# Altium PCB TimeKeeper.PcbDoc (part 2 of 2)
Units mm, origin at the board's own origin, x right, y up, seen from the top; angles counter-clockwise.
Board outline 127 x 94 mm, 4 copper layers (Top Layer, Layer 1, Layer 2, Bottom Layer), stack 0.603 mm thick; 87 components, 101 nets, 728 pads, 717 vias.
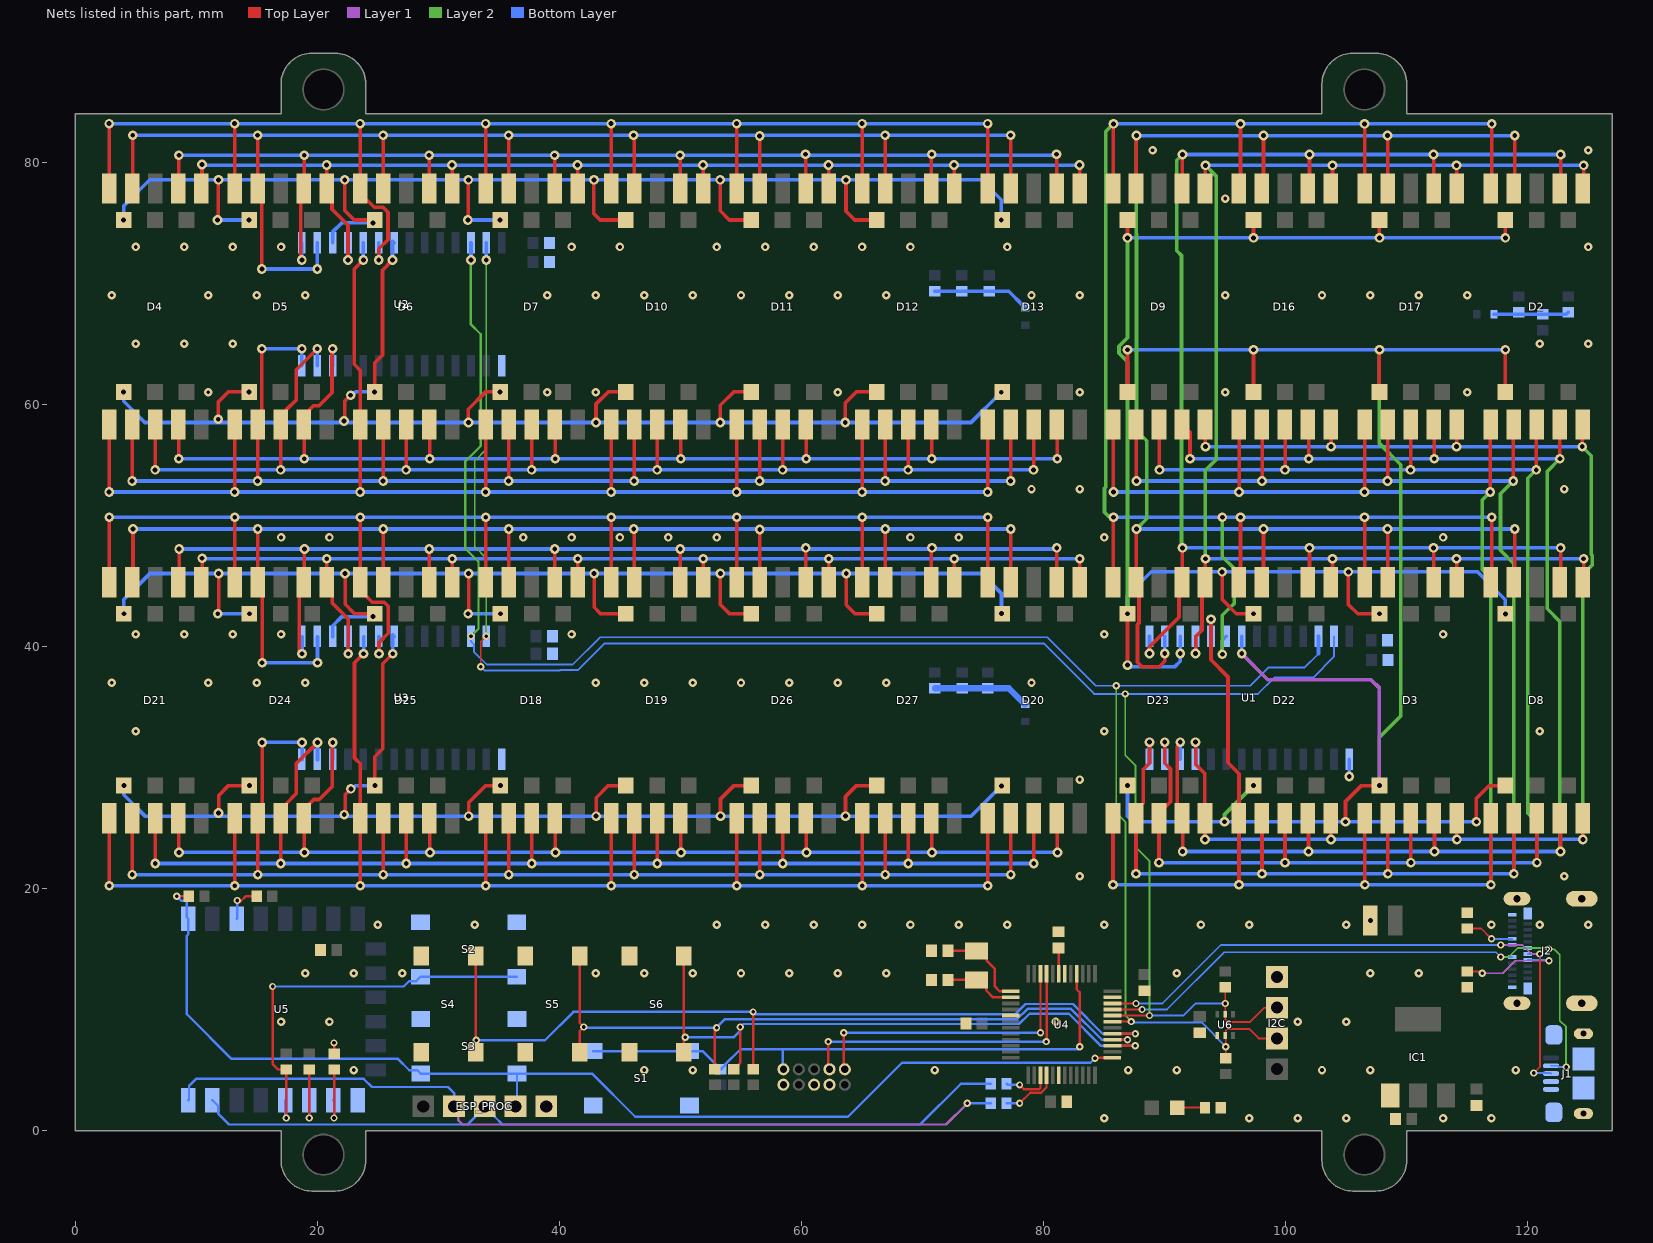
[diagram p4: the nets of this part, all layers, seen from the top]

## Via types
v1: diameter 0.8, hole 0.4, Top Layer to Bottom Layer, 517 vias
v2: diameter 0.7, hole 0.3, Top Layer to Bottom Layer, tented both sides, 135 vias
v3: diameter 0.6, hole 0.3, Top Layer to Bottom Layer, 65 vias

## Nets (pads, with @x,y where several pads share a name; then routed paths per layer and width w, separated by ;. In a path a pad name is that pad's centre, name@x,y a point inside that pad or via, vN(x,y) a via of type N, cw(c..) or ccw(c..) an arc to the next point about the centre after c; other vN are vias at no path point) (continued)
DP5: D2.5 D3.5 D8.5 D9.5 D16.5 D17.5 D22.5 D23.5 U1.P$11 | length 117.8
  Top Layer w0.3: v1(92.555,32.086) 92.555,30.25 93.327,29.478 93.327,25.806 D23.5@93.334,25.8 v1(93.334,24.05) ; v1(93.368,56.5) D9.5@93.368,58.322 ; v1(103.739,24.05) D22.5@103.739,25.8 ; v1(103.75,56.5) D16.5@103.75,58.322 ; v1(114.118,56.5) D17.5@114.118,58.322 ; v1(114.145,24.05) D3.5@114.145,25.8 ; v1(124.5,56.5) D2.5@124.5,58.322 ; v1(124.55,24.05) D8.5@124.55,25.8 D8.5@124.55,25.872
  Layer 2 w0.3: v1(124.5,56.5) 125.25,55.75 125.25,47.598 125.318,47.53 125.318,46.718 124.55,45.95 v1(124.55,24.05)
  Bottom Layer w0.3: U1.P$11@92.555,30.67 92.555,31.729 v1(92.555,32.086) ; v1(93.334,24.05) v1(103.739,24.05) v1(114.145,24.05) v1(124.55,24.05) ; v1(93.368,56.5) v1(103.75,56.5) v1(114.118,56.5) v1(124.5,56.5)
E1: D4.8 D5.8 D6.8 D7.8 D10.8 D11.8 D12.8 D13.8 U2.P$21 | length 115.1
  Top Layer w0.3: v1(11.816,58.762) 11.826,58.772 11.826,60.211 12.638,61.022 v1(14.363,61.022) ; v1(22.208,58.618) 22.276,58.686 22.276,60.293 22.733,60.75 v1(22.75,60.75) ; v1(24.732,61.022) 24.732,63.412 25.382,64.062 25.382,71.085 v1(26.213,71.916) ; v1(32.482,58.5) 32.478,58.505 32.478,59.6 33.9,61.022 v1(35.1,61.022) ; v1(43.017,58.5) 43.017,60.016 44.023,61.022 D10.8@45.468,61.022 ; v1(53.291,58.5) 53.291,59.913 54.4,61.022 D11.8@55.837,61.022 ; v1(63.612,58.5) 63.612,60.112 64.522,61.022 D12.8@66.205,61.022
  Bottom Layer w0.3: v1(3.995,61.022) 3.995,60.255 5.75,58.5 v1@11.816,58.5 ; v1(11.816,58.762) v1@11.816,58.5 ; v1(22.208,58.618) v1@22.208,58.5 ; v1(22.75,60.75) 22.885,60.75 23.158,61.022 v1(24.732,61.022) ; v1(26.213,71.916) 26.213,73.459 U2.P$21@26.34,73.332 ; v1(76.505,61) 74.005,58.5 v1(63.612,58.5) v1(53.291,58.5) v1(43.017,58.5) v1(32.482,58.5) v1@22.208,58.5 ; v1@11.816,58.5 v1@22.208,58.5
E3: D18.8 D19.8 D20.8 D21.8 D24.8 D25.8 D26.8 D27.8 U3.P$21 | length 115.1
  Top Layer w0.3: v1(11.834,26.24) 11.844,26.25 11.844,27.688 12.656,28.5 D24.8@14.379,28.5 v1(14.382,28.5) ; v1(22.226,26.096) 22.294,26.164 22.294,27.77 22.752,28.228 v1(22.768,28.228) ; v1(24.75,28.5) 24.75,30.889 25.4,31.539 25.4,38.562 v1(26.231,39.394) ; v1(32.501,25.978) 32.496,25.982 32.496,27.078 33.918,28.5 D18.8@35.11,28.5 v1(35.118,28.5) ; v1(43.035,25.978) 43.035,27.494 44.041,28.5 D19.8@45.476,28.5 D19.8@45.487,28.5 ; v1(53.309,25.978) 53.309,27.391 54.418,28.5 D26.8@55.842,28.5 D26.8@55.855,28.5 ; v1(63.63,25.978) 63.63,27.59 64.541,28.5 D27.8@66.207,28.5 D27.8@66.223,28.5
  Bottom Layer w0.3: v1(4.013,28.5) 4.013,27.733 5.768,25.978 v1@11.834,25.978 ; v1(11.834,26.24) v1@11.834,25.978 ; v1(22.226,26.096) v1@22.226,25.978 ; v1(22.768,28.228) 22.904,28.228 23.176,28.5 v1(24.75,28.5) ; v1(26.231,39.394) 26.231,40.937 U3.P$21@26.358,40.81 ; v1(76.523,28.478) 74.023,25.978 v1(63.63,25.978) v1(53.309,25.978) v1(43.035,25.978) v1(32.501,25.978) v1@22.226,25.978 ; v1@11.834,25.978 v1@22.226,25.978
E5: D2.8 D3.8 D8.8 D9.8 D16.8 D17.8 D22.8 D23.8 U1.P$21 | length 149.9
  Top Layer w0.3: D9.8@86.934,61.022 v1(86.934,64.5) ; D16.8@97.339,61.022 v1(97.339,64.5) ; v1(104.941,25.508) 104.941,27.186 106.255,28.5 v1(107.745,28.5) ; D17.8@107.745,61.022 v1(107.745,64.5) ; v1(115.754,25.508) 115.754,27.439 116.815,28.5 D8.8@118.15,28.5 ; D2.8@118.15,61.022 v1(118.15,64.5)
  Layer 1 w0.3: v1(96.365,39.414) 98.529,37.25 107.057,37.25 107.745,36.562 v1(107.745,28.5)
  Layer 2 w0.3: v1(94.943,25.508) 94.946,25.512 94.946,26.107 v1(97.339,28.5) ; v1(107.745,28.5) 107.745,32.495 109.5,34.25 109.5,55 107.745,56.755 v1(107.745,64.5)
  Bottom Layer w0.3: v1(86.934,28.5) 86.934,25.964 87.389,25.508 v1(94.943,25.508) v1(104.941,25.508) v1(115.754,25.508) ; v1(86.934,64.5) v1(97.339,64.5) v1(107.745,64.5) v1(118.15,64.5) ; v1(96.365,39.414) 96.365,39.771 U1.P$21@96.365,40.83
ESP_EN: R11.1 U5.3 | length 3.3
  Top Layer w0.2: v3(13.377,19) 13.456,19 13.507,18.949 13.673,18.949 14.074,19.35 R11.1@14.982,19.35
  Bottom Layer w0.2: U5.3@13.329,17.5 13.377,17.548 v3(13.377,19)
ESP_IO0: R9.1 S2.3 S2.4 U5.18 | length 33.7
  Top Layer w0.2: v3(16.3,11.9) 16.3,5.495 16.754,5.041 R9.1@17.432,5.041 v3(17.432,1.039)
  Bottom Layer w0.2: v3(16.3,11.9) 27.136,11.9 27.572,12.337 28.16,12.337 S2.4@28.53,12.707 S2.3@36.48,12.707 ; U5.18@17.329,2.5 17.329,1.2 17.432,1.097 v3(17.432,1.039)
ESP_IO2: R10.1 U5.17 | length 5.5
  Top Layer w0.2: v3(19.332,1.039) R10.1@19.332,5.041
  Bottom Layer w0.2: U5.17@19.329,2.5 19.332,2.497 v3(19.332,1.039)
ESP_IO15: R13.1 U5.16 | length 5.5
  Top Layer w0.2: v3(21.379,1.039) R13.1@21.379,5.041
  Bottom Layer w0.2: U5.16@21.329,2.5 21.379,2.45 v3(21.379,1.039)
ESP_RST: ESP_PROG.2 R12.1 S3.3 S3.4 U4.25 U5.1 | length 96.6
  Top Layer w0.2: v3(8.382,19.35) 8.388,19.356 R12.1@9.376,19.356 9.376,19.35 R12.1@9.051,19.025 ; v3(84.241,5.97) 84.271,6 U4.25@85.661,6
  Bottom Layer w0.2: v3(8.382,19.35) 8.732,19 9.096,19 9.213,18.883 9.213,17.616 U5.1@9.329,17.5 9.329,16.2 9.22,16.091 9.22,9.613 12.919,5.914 26.658,5.914 27.587,4.985 28.267,4.985 S3.4@28.544,4.707 S3.3@36.494,4.707 ; ESP_PROG.2@36.376,1.939 36.494,2.057 S3.3@36.494,4.707 ; v3(84.241,5.97) 83.871,5.6 68.3,5.6 63.839,1.139 46.261,1.139 42.693,4.707 S3.3@36.494,4.707
ESP_RX: ESP_PROG.3 R4.1 U5.21 | length 68.1
  Bottom Layer w0.2: U5.21@11.329,2.5 11.827,2.002 11.827,1.373 12.7,0.5 32.397,0.5 33.836,1.939 34.636,1.139 34.661,1.139 35.3,0.5 69.8,0.5 73.17,3.87 R4.1@75.641,3.87
ESP_TX: ESP_PROG.4 R5.1 U5.22 | length 71.1
  Layer 1 w0.2: ESP_PROG.4@31.296,1.939 31.644,1.591 31.644,0.856 32,0.5 71.95,0.5 v3(73.7,2.25)
  Bottom Layer w0.2: U5.22@9.329,2.5 9.396,2.567 9.396,3.683 9.984,4.271 23.829,4.271 24.5,3.6 30.796,3.6 31.296,3.1 ESP_PROG.4@31.296,1.939 ; v3(73.7,2.25) R5.1@75.641,2.25
F1: D4.16 D5.16 D6.16 D7.16 D10.16 D11.16 D12.16 D13.16 U2.P$20 | length 124.7
  Top Layer w0.3: D4.16@2.795,77.822 v1(2.795,83.188) ; D5.16@13.163,77.822 v1(13.163,83.188) ; v1(23.532,83.188) D6.16@23.532,77.822 23.882,77.822 23.882,77.098 24.707,76.272 25.432,76.272 25.832,75.872 25.832,73.602 25.07,72.84 v1(25.07,71.916) ; D7.16@33.9,77.822 v1(33.9,83.188) ; D10.16@44.268,77.822 v1(44.268,83.188) ; D11.16@54.637,77.822 v1(54.637,83.188) ; D12.16@65.005,77.822 v1(65.005,83.188) ; D13.16@75.373,77.822 v1(75.373,83.188)
  Bottom Layer w0.3: v1(2.795,83.188) v1(13.163,83.188) v1(23.532,83.188) v1(33.9,83.188) v1(44.268,83.188) v1(54.637,83.188) v1(65.005,83.188) v1(75.373,83.188) ; v1(25.07,71.916) U2.P$20@25.07,73.332
F3: D18.16 D19.16 D20.16 D21.16 D24.16 D25.16 D26.16 D27.16 U3.P$20 | length 124.9
  Top Layer w0.3: D21.16@2.813,45.3 v1(2.813,50.666) ; D24.16@13.182,45.3 v1(13.182,50.666) ; v1(23.55,50.666) 23.55,45.3 23.9,45.3 23.9,44.295 24.545,43.65 25.519,43.65 25.85,43.319 25.85,41.079 25.088,40.317 v1(25.088,39.394) ; D18.16@33.918,45.3 v1(33.918,50.666) ; D19.16@44.287,45.3 v1(44.287,50.666) ; D26.16@54.655,45.3 v1(54.655,50.666) ; D27.16@65.023,45.3 v1(65.023,50.666) ; D20.16@75.391,45.3 v1(75.391,50.666)
  Bottom Layer w0.3: v1(2.813,50.666) v1(13.182,50.666) v1(23.55,50.666) v1(33.918,50.666) v1(44.287,50.666) v1(54.655,50.666) v1(65.023,50.666) v1(75.391,50.666) ; v1(25.088,39.394) U3.P$20@25.088,40.81
F5: D2.16 D3.16 D8.16 D9.16 D16.16 D17.16 D22.16 D23.16 U1.P$20 | length 152.6
  Top Layer w0.3: D23.16@85.768,45.3 v1(85.768,50.666) ; D9.16@85.768,77.8 v1(85.768,83.166) ; D22.16@96.268,45.3 v1(96.268,50.666) ; D16.16@96.268,77.8 v1(96.268,83.166) ; D3.16@106.518,45.3 v1(106.518,50.666) ; D17.16@106.518,77.8 v1(106.518,83.166) ; D8.16@117.018,45.3 v1(117.018,50.666) ; D2.16@117.018,77.8 v1(117.018,83.166)
  Layer 2 w0.3: v1(85.768,50.666) 85.688,50.746 85.357,50.746 85.028,51.075 85.028,53.057 85.134,53.163 85.134,82.531 v1(85.768,83.166) ; v1(94.771,39.346) 94.771,42.567 95.75,43.546 95.75,46.431 94.771,47.41 v1(94.771,50.666)
  Bottom Layer w0.3: v1(85.768,50.666) v1(94.771,50.666) v1(96.268,50.666) v1(106.518,50.666) v1(117.018,50.666) ; v1(85.768,83.166) v1(96.268,83.166) v1(106.518,83.166) v1(117.018,83.166) v1@117.103,83.25 ; v1(94.771,39.346) 94.771,40.506 U1.P$20@95.095,40.83
G1: D4.9 D5.9 D6.9 D7.9 D10.9 D11.9 D12.9 D13.9 U2.P$17 | length 115.2
  Top Layer w0.3: v1(11.75,75.222) 11.826,75.299 v1(11.826,78.539) ; v1(22.267,78.539) 22.276,78.53 22.276,75.999 23.053,75.222 D6.9@24.732,75.222 ; v1(32.436,75.222) 32.478,75.264 v1(32.478,78.539) ; v1(42.85,78.539) 42.85,75.745 43.373,75.222 D10.9@45.468,75.222 ; v1(53.277,78.539) 53.277,75.982 54.037,75.222 D11.9@55.837,75.222 ; v1(63.678,78.539) 63.678,75.949 64.405,75.222 D12.9@66.205,75.222
  Bottom Layer w0.3: v1(3.995,75.222) 3.995,76.387 6.147,78.539 v1(11.826,78.539) v1(22.267,78.539) v1(32.478,78.539) v1(42.85,78.539) v1(53.277,78.539) v1(63.678,78.539) 74.854,78.539 76.505,76.888 v1(76.505,75.237) ; v1(11.75,75.222) v1(14.363,75.222) ; U2.P$17@21.26,73.332 21.26,74.228 22.015,74.983 v1(24.593,74.983) ; v1(32.436,75.222) v1(35.1,75.222)
G3: D18.9 D19.9 D20.9 D21.9 D24.9 D25.9 D26.9 D27.9 U3.P$17 | length 115.2
  Top Layer w0.3: v1(11.768,42.7) 11.844,42.776 v1(11.844,46.017) ; v1(22.285,46.017) 22.294,46.008 22.294,43.477 23.071,42.7 D25.9@24.75,42.7 ; v1(32.454,42.7) 32.496,42.742 v1(32.496,46.017) ; v1(42.868,46.017) 42.868,43.223 43.391,42.7 D19.9@45.487,42.7 ; v1(53.296,46.017) 53.296,43.459 54.055,42.7 D26.9@55.855,42.7 ; v1(63.696,46.017) 63.696,43.427 64.423,42.7 D27.9@66.223,42.7
  Bottom Layer w0.3: v1(4.013,42.7) 4.013,43.865 6.165,46.017 v1(11.844,46.017) v1(22.285,46.017) v1(32.496,46.017) v1(42.868,46.017) v1(53.296,46.017) v1(63.696,46.017) 74.872,46.017 76.523,44.366 v1(76.523,42.715) ; v1(11.768,42.7) v1(14.382,42.7) ; U3.P$17@21.278,40.81 21.278,41.705 22.033,42.461 v1(24.611,42.461) ; v1(32.454,42.7) v1(35.118,42.7)
G5: D2.9 D3.9 D8.9 D9.9 D16.9 D17.9 D22.9 D23.9 U1.P$17 | length 126.3
  Top Layer w0.3: v1(86.934,38.453) v1(86.934,42.7) ; v1(86.934,73.75) D9.9@86.934,75.222 ; v1(94.749,46.154) 94.749,43.87 95.918,42.7 v1(97.339,42.7) ; v1(97.339,73.75) D16.9@97.339,75.222 ; v1(105.181,46.154) 105.181,43.464 105.945,42.7 v1(107.745,42.7) ; v1(107.745,73.75) D17.9@107.745,75.222 ; v1(118.15,42.675) D8.9@118.15,42.7 ; v1(118.15,73.75) D2.9@118.15,75.222
  Layer 2 w0.3: v1(86.934,42.7) 86.934,63.51 86.234,64.21 86.234,64.79 86.934,65.49 v1(86.934,73.75)
  Bottom Layer w0.3: v1(86.934,38.453) 87.083,38.303 90.818,38.303 91.285,38.77 v1(91.285,39.414) 91.285,39.771 U1.P$17@91.285,40.83 ; v1(86.934,42.7) 86.934,44.184 88.904,46.154 v1(94.749,46.154) v1(105.181,46.154) 115.846,46.154 118.15,43.85 v1(118.15,42.675) ; v1(86.934,73.75) v1(97.339,73.75) v1(107.745,73.75) v1(118.15,73.75)
GND: C1.1 C2.1 C3.1 C4.1 C5.1 C6.1 C7.1 C8.1 C9.1 C10.1 C11.1 C12.1 C13.1 C14.1 C15.1 C16.1 ESP_PROG.1 I2C.1 IC1.1 J1.4 J1.5 J1.S J2.A1 J2.A12 J2.B1 J2.B12 J2.S1 J2.S2 J2.S3 J2.S4 pad.3 pad.5 pad.9 pad.GND R1.1 R2.1 R8.2 R13.2 S1.1 S1.2 S2.1 S2.2 S3.1 S3.2 S4.1 S4.2 S5.1 S5.2 S6.1 S6.2 U1.P$1 U2.P$1 U3.P$1 U4.5 U4.18 U4.35 U4.42 U5.15 U6.1 | length 2.3
  Top Layer w0.2: R13.2@21.379,6.341 v3(21.379,7.241)
  Bottom Layer w0.3: v1(105.255,29.254) U1.P$1@105.255,30.67
  other v1: 107,17.35
  other v2: 85,1 97,1 101,1 105,1 113,1 117,1 23,5 47,5 51,5 71,5 87,5 91,5 103,5 107,5 119,5 17,9 21,9 81,9 101,9 105,9 19,13 23,13 27,13 43,13 47,13 51,13 55,13 59,13 63,13 67,13 91,13 107,13 111,13 25,17 33,17 53,17 57,17 61,17 65,17 69,17 73,17 77,17 85,17 93,17 97,17 105,17 117,17 121,17 125,17 83,21 123,21 83,29 5,33 85,33 121,33 3,37 11,37 15,37 19,37 43,37 47,37 51,37 55,37 59,37 63,37 67,37 79,37 5,41 9,41 13,41 17,41 41,41 85,41 113,41 17,49 21,49 37,49 41,49 45,49 49,49 53,49 69,49 73,49 85,49 113,49 79,53 83,53 123,53 11,61 39,61 43,61 63,61 83,61 95,61 115,61 5,65 9,65 13,65 121,65 125,65 3,69 11,69 15,69 19,69 39,69 43,69 47,69 51,69 55,69 59,69 63,69 67,69 79,69 83,69 95,69 103,69 107,69 111,69 115,69 5,73 9,73 13,73 17,73 41,73 45,73 53,73 57,73 61,73 65,73 69,73 77,73 125,73 95,77 89,81 125,81
H1: D4.15 D5.15 D6.15 D7.15 D10.15 D11.15 D12.15 D13.15 U2.P$16 | length 121.2
  Top Layer w0.3: D4.15@4.695,77.822 4.75,77.877 v1(4.75,82.222) ; v1(15.063,82.222) D5.15@15.063,77.822 15.418,77.468 v1(15.418,71.173) ; D6.15@25.432,77.822 v1(25.432,82.222) ; D7.15@35.8,77.822 v1(35.8,82.222) ; v1(46.118,82.222) 46.168,82.172 D10.15@46.168,77.822 ; D11.15@56.537,77.822 v1(56.537,82.172) ; D12.15@66.905,77.822 v1(66.905,82.222) ; D13.15@77.273,77.822 v1(77.273,82.222)
  Bottom Layer w0.3: v1(4.75,82.222) v1(15.063,82.222) v1(25.432,82.222) v1(35.8,82.222) v1(46.118,82.222) v1(66.905,82.222) v1(77.273,82.222) ; v1(15.418,71.173) v1(19.99,71.173) U2.P$16@19.99,73.332
H3: D18.15 D19.15 D20.15 D21.15 D24.15 D25.15 D26.15 D27.15 U3.P$16 | length 121.2
  Top Layer w0.3: D21.15@4.713,45.3 4.768,45.355 v1(4.768,49.7) ; v1(15.082,49.7) 15.082,45.3 15.436,44.945 v1(15.436,38.651) ; D25.15@25.45,45.3 v1(25.45,49.7) ; D18.15@35.818,45.3 v1(35.818,49.7) ; v1(46.137,49.7) 46.187,49.65 D19.15@46.187,45.3 ; D26.15@56.555,45.3 v1(56.555,49.65) ; D27.15@66.923,45.3 v1(66.923,49.7) ; D20.15@77.291,45.3 v1(77.291,49.7)
  Bottom Layer w0.3: v1(4.768,49.7) v1(15.082,49.7) v1(25.45,49.7) v1(35.818,49.7) v1(46.137,49.7) v1(66.923,49.7) v1(77.291,49.7) ; v1(15.436,38.651) v1(20.008,38.651) U3.P$16@20.008,40.81
H5: D2.15 D3.15 D8.15 D9.15 D16.15 D17.15 D22.15 D23.15 U1.P$16 | length 142.4
  Top Layer w0.3: D23.15@87.634,45.3 87.884,45.05 87.884,41.926 87.758,41.8 87.758,38.681 88.135,38.303 89.553,38.303 90.015,38.765 v1(90.015,39.414) ; D23.15@87.668,45.3 v1(87.668,49.7) ; D9.15@87.668,77.8 v1(87.668,82.2) ; D22.15@98.168,45.3 v1(98.168,49.7) ; D16.15@98.168,77.8 v1(98.168,82.2) ; D3.15@108.418,45.3 v1(108.418,49.7) ; D17.15@108.418,77.8 v1(108.418,82.2) ; D8.15@118.918,45.3 v1(118.918,49.7) ; D2.15@118.918,77.8 v1(118.918,82.2)
  Layer 2 w0.3: v1(87.668,49.7) 88.517,50.548 88.517,56.983 87.674,57.826 87.674,74.057 87.668,74.063 v1(87.668,82.2)
  Bottom Layer w0.3: v1(87.668,49.7) v1(98.168,49.7) v1(108.418,49.7) v1(118.918,49.7) v1@118.969,49.75 ; v1(87.668,82.2) v1(98.168,82.2) v1(108.418,82.2) v1(118.918,82.2) ; v1(90.015,39.414) U1.P$16@90.015,40.83
I2C_SCL: I2C.2 R7.1 U1.P$27 U2.P$27 U3.P$27 U4.32 U6.5 | length 156.9
  Top Layer w0.15: v3(33.5,38.324) 33.5,40.372 v3(33.96,40.832) ; U4.32@85.691,9.5 v3(88.745,9.5) ; R7.1@95,11.833 v3(95,10.5) U6.5@95,9.6 95.015,9.585 95.015,9.188 95.227,8.975 97.064,8.975 98.239,10.15 I2C.2@99.289,10.15
  Layer 2 w0.15: v3(33.96,40.832) 33.96,47.29 33,48.25 33,55.314 33.96,56.274 v1(33.96,71.916) ; v3(86.75,36.074) 86.75,31 87.584,30.166 87.584,23.439 88.745,22.278 v3(88.745,9.5)
  Bottom Layer w0.15: v3(33.5,38.324) 33.824,38 40.025,38 40.079,38.054 41.554,38.054 43.75,40.25 80,40.25 84.176,36.074 v3(86.75,36.074) 97.713,36.074 99.056,37.417 102.265,37.417 103.985,39.136 U1.P$27@103.985,40.83 ; v3(88.745,9.5) 91.555,9.5 92.555,10.5 v3(95,10.5)
  Bottom Layer w0.3: v1(33.96,71.916) U2.P$27@33.96,73.332
I2C_SDA: I2C.3 R6.1 U1.P$26 U2.P$26 U3.P$26 U4.31 U6.2 | length 156.2
  Top Layer w0.15: U4.31@85.691,9 v3(87.25,9) ; R6.1@95.052,5.97 v3(95.052,6.93) 95.052,7.891 95.047,7.897 95.047,8.247 95.192,8.392 96.981,8.392 97.762,7.61 I2C.3@99.289,7.61
  Layer 2 w0.15: v3(86,36.75) 86,26.249 86.773,25.476 86.773,9.477 v3(87.25,9)
  Layer 2 w0.2: v3(32.69,40.832) 33.31,41.453 33.31,46.987 32.223,48.074 32.223,55.283 33.5,56.56 33.5,65.791 32.69,66.601 v1(32.69,71.916)
  Bottom Layer w0.15: v3(32.69,40.832) 32.69,40.434 32.932,40.192 32.932,39.566 33.998,38.5 41.106,38.5 43.359,40.752 80.312,40.752 84.314,36.75 v3(86,36.75) 97.071,36.75 98.571,38.25 101.551,38.25 102.715,39.414 ; v3(87.25,9) 87.32,8.93 93.052,8.93 v3(95.052,6.93)
  Bottom Layer w0.3: v1(32.69,71.916) U2.P$26@32.69,73.332 ; 102.715,39.414 U1.P$26@102.715,40.83
J1: D4.13 D5.13 D6.13 D7.13 D10.13 D11.13 D12.13 D13.13 U2.P$15 | length 102.3
  Top Layer w0.3: D4.13@8.495,77.822 8.56,77.887 v1(8.56,80.571) ; v1(18.72,71.916) 18.613,72.023 18.613,77.572 D5.13@18.863,77.822 18.913,77.872 v1(18.913,80.571) ; D6.13@29.232,77.822 v1(29.232,80.571) ; D7.13@39.6,77.822 v1(39.6,80.571) ; D10.13@49.968,77.822 v1(49.968,80.571) ; D11.13@60.337,77.822 v1(60.337,80.659) ; D12.13@70.705,77.822 70.705,80.609 v1(70.755,80.659) ; D13.13@81.073,77.822 v1(81.073,80.659)
  Bottom Layer w0.3: v1(8.56,80.571) v1(18.913,80.571) v1(29.232,80.571) v1(39.6,80.571) v1(49.968,80.571) 80.872,80.571 80.96,80.659 v1(81.073,80.659) ; v1(18.72,71.916) U2.P$15@18.72,73.332
J3: D18.13 D19.13 D20.13 D21.13 D24.13 D25.13 D26.13 D27.13 U3.P$15 | length 102.4
  Top Layer w0.3: D21.13@8.513,45.3 8.578,45.365 v1(8.578,48.049) ; v1(18.738,39.394) 18.5,39.632 18.5,44.918 18.882,45.3 18.932,45.35 v1(18.932,48.049) ; D25.13@29.25,45.3 v1(29.25,48.049) ; D18.13@39.618,45.3 v1(39.618,48.049) ; D19.13@49.987,45.3 v1(49.987,48.049) ; D26.13@60.355,45.3 v1(60.355,48.136) ; D27.13@70.723,45.3 70.723,48.086 v1(70.773,48.136) ; D20.13@81.091,45.3 v1(81.091,48.136)
  Bottom Layer w0.3: v1(8.578,48.049) v1(18.932,48.049) v1(29.25,48.049) v1(39.618,48.049) v1(49.987,48.049) 80.891,48.049 80.978,48.136 v1(81.091,48.136) ; v1(18.738,39.394) U3.P$15@18.738,40.81
J5: D2.13 D3.13 D8.13 D9.13 D16.13 D17.13 D22.13 D23.13 U1.P$15 | length 127
  Top Layer w0.3: v1(88.745,39.414) 88.745,39.961 91.184,42.4 91.184,45.3 D23.13@91.434,45.3 ; D23.13@91.468,45.3 v1(91.468,48.136) ; D9.13@91.468,77.8 v1(91.468,80.636) ; D22.13@101.968,45.3 v1(101.968,48.136) ; D16.13@101.968,77.8 v1(101.968,80.636) ; D3.13@112.218,45.3 v1(112.218,48.136) ; D17.13@112.218,77.8 v1(112.218,80.636) ; D8.13@122.718,45.3 v1(122.718,48.136) ; D2.13@122.718,77.8 v1(122.718,80.636)
  Layer 2 w0.3: v1(91.468,48.136) 91.393,48.211 91.393,72.299 91,72.693 91,80.168 v1(91.468,80.636)
  Bottom Layer w0.3: v1(88.745,39.414) 88.745,39.771 U1.P$15@88.745,40.83 ; v1(91.468,48.136) v1(101.968,48.136) v1(112.218,48.136) v1(122.718,48.136) ; v1(91.468,80.636) v1(101.968,80.636) v1(112.218,80.636) v1(122.718,80.636) 122.854,80.636 v1@122.99,80.5
K1: D4.12 D5.12 D6.12 D7.12 D10.12 D11.12 D12.12 D13.12 U2.P$18 | length 96.4
  Top Layer w0.3: D4.12@10.395,77.822 10.465,77.892 v1(10.465,79.809) ; v1(20.763,79.762) D5.12@20.763,77.822 20.763,77.238 21.213,76.788 21.213,76.107 22.53,74.791 v1(22.53,71.916) ; D6.12@31.132,77.822 v1(31.132,79.762) ; D7.12@41.373,77.695 D7.12@41.5,77.822 v1(41.5,79.762) ; D10.12@51.868,77.822 v1(51.868,79.762) ; D11.12@62.237,77.822 v1(62.237,79.762) ; D12.12@72.605,77.822 v1(72.605,79.762) ; D13.12@82.973,77.822 v1(82.973,79.762)
  Bottom Layer w0.3: v1(10.465,79.809) 10.512,79.762 v1(20.763,79.762) v1(31.132,79.762) v1(41.5,79.762) v1(51.868,79.762) v1(62.237,79.762) v1(72.605,79.762) v1(82.973,79.762) ; v1(22.53,71.916) U2.P$18@22.53,73.332
K3: D18.12 D19.12 D20.12 D21.12 D24.12 D25.12 D26.12 D27.12 U3.P$18 | length 96.4
  Top Layer w0.3: D21.12@10.413,45.3 10.483,45.37 v1(10.483,47.287) ; v1(20.782,47.24) 20.782,45.3 20.782,44.715 21.232,44.265 21.232,43.585 22.548,42.268 v1(22.548,39.394) ; D25.12@31.15,45.3 v1(31.15,47.24) ; D18.12@41.391,45.173 41.518,45.3 v1(41.518,47.24) ; D19.12@51.887,45.3 v1(51.887,47.24) ; D26.12@62.255,45.3 v1(62.255,47.24) ; D27.12@72.623,45.3 v1(72.623,47.24) ; D20.12@82.991,45.3 v1(82.991,47.24)
  Bottom Layer w0.3: v1(10.483,47.287) 10.53,47.24 v1(20.782,47.24) v1(31.15,47.24) v1(41.518,47.24) v1(51.887,47.24) v1(62.255,47.24) v1(72.623,47.24) v1(82.991,47.24) ; v1(22.548,39.394) U3.P$18@22.548,40.81
K5: D2.12 D3.12 D8.12 D9.12 D16.12 D17.12 D22.12 D23.12 U1.P$18 | length 118.9
  Top Layer w0.3: v1(92.555,39.414) 92.555,40.806 93.084,41.335 93.084,45.05 D23.12@93.334,45.3 ; D23.12@93.368,45.3 v1(93.368,47.24) ; D9.12@93.368,77.8 v1(93.368,79.74) ; D22.12@103.868,45.3 v1(103.868,47.24) ; D16.12@103.868,77.8 v1(103.868,79.74) ; D3.12@114.118,45.3 v1(114.118,47.24) ; D17.12@114.118,77.8 v1(114.118,79.74) ; D8.12@124.618,45.3 v1(124.618,47.24) ; D2.12@124.618,77.8 v1(124.618,79.74)
  Layer 2 w0.3: v1(93.368,47.24) 93.368,54.543 94.25,55.425 94.25,78.858 v1(93.368,79.74)
  Bottom Layer w0.3: v1(92.555,39.414) U1.P$18@92.555,40.83 ; v1(93.368,47.24) v1(103.868,47.24) v1(114.118,47.24) v1(124.618,47.24) v1@124.628,47.25 ; v1(93.368,79.74) v1(103.868,79.74) v1(114.118,79.74) v1(124.618,79.74)
L1: D4.4 D5.4 D6.4 D7.4 D10.4 D11.4 D12.4 D13.4 U2.P$12 | length 103.8
  Top Layer w0.3: D4.4@8.495,58.322 8.545,58.272 v1(8.545,55.5) ; D5.4@18.863,58.322 19.313,58.772 19.313,59.5 19.686,59.872 20.138,59.872 21.213,60.948 21.213,64.541 v1(21.26,64.588) ; v1(18.913,55.5) D5.4@18.913,58.272 ; v1(29.282,55.5) D6.4@29.282,58.272 ; v1(39.65,55.5) D7.4@39.65,58.272 ; v1(50.018,55.5) D10.4@50.018,58.272 ; v1(60.387,55.5) D11.4@60.387,58.272 ; v1(70.755,55.5) D12.4@70.755,58.272 ; v1(81.123,55.5) D13.4@81.123,58.272
  Bottom Layer w0.3: v1(8.545,55.5) v1(18.913,55.5) v1(29.282,55.5) v1(39.65,55.5) v1(50.018,55.5) v1(60.387,55.5) v1(70.755,55.5) v1(81.123,55.5) ; U2.P$12@21.26,63.172 v1(21.26,64.588)
L3: D18.4 D19.4 D20.4 D21.4 D24.4 D25.4 D26.4 D27.4 U3.P$12 | length 103.8
  Top Layer w0.3: D21.4@8.513,25.8 8.563,25.75 v1(8.563,22.978) ; D24.4@18.882,25.8 19.332,26.25 19.332,26.978 19.704,27.35 20.156,27.35 21.232,28.426 21.232,32.019 v1(21.278,32.066) ; v1(18.932,22.978) D24.4@18.932,25.75 ; v1(29.3,22.978) D25.4@29.3,25.75 ; v1(39.668,22.978) D18.4@39.668,25.75 ; v1(50.037,22.978) D19.4@50.037,25.75 ; v1(60.405,22.978) D26.4@60.405,25.75 ; v1(70.773,22.978) D27.4@70.773,25.75 ; v1(81.141,22.978) D20.4@81.141,25.75
  Bottom Layer w0.3: v1(8.563,22.978) v1(18.932,22.978) v1(29.3,22.978) v1(39.668,22.978) v1(50.037,22.978) v1(60.405,22.978) v1(70.773,22.978) v1(81.141,22.978) ; U3.P$12@21.278,30.65 v1(21.278,32.066)
L5: D2.4 D3.4 D8.4 D9.4 D16.4 D17.4 D22.4 D23.4 U1.P$12 | length 125.5
  Top Layer w0.3: v1(91.285,32.086) 91.285,31.951 91.04,31.706 91.04,26.193 D23.4@91.434,25.8 ; v1(91.484,23.05) D23.4@91.484,25.822 ; D9.4@91.518,58.272 92.099,57.692 v1(92.099,55.5) ; v1(101.889,23.05) D22.4@101.889,25.822 ; v1(101.9,55.5) D16.4@101.9,58.272 ; v1(112.268,55.5) D17.4@112.268,58.272 ; v1(112.295,23.05) D3.4@112.295,25.822 ; v1(122.65,55.5) D2.4@122.65,58.272 ; v1(122.7,23.05) D8.4@122.7,25.822
  Layer 2 w0.3: v1(122.65,55.5) 121.6,54.45 121.6,43.1 122.65,42.05 122.65,23.1 v1(122.7,23.05)
  Bottom Layer w0.3: U1.P$12@91.285,30.67 v1(91.285,32.086) ; v1(91.484,23.05) v1(101.889,23.05) v1(112.295,23.05) v1(122.7,23.05) ; v1(92.099,55.5) v1(101.9,55.5) v1(112.268,55.5) v1(122.65,55.5)
M1: D4.3 D5.3 D6.3 D7.3 D10.3 D11.3 D12.3 D13.3 U2.P$13 | length 111.4
  Top Layer w0.3: v1(6.595,54.581) D4.3@6.595,58.322 ; v1(16.963,54.581) D5.3@16.963,58.322 17.413,58.772 17.413,59.522 18.25,60.359 18.25,62.848 v1(19.99,64.588) ; v1(27.332,54.581) D6.3@27.332,58.322 ; v1(37.7,54.581) D7.3@37.7,58.322 ; v1(48.068,54.581) D10.3@48.068,58.322 ; v1(58.437,54.581) D11.3@58.437,58.322 ; v1(68.805,54.581) D12.3@68.805,58.322 ; v1(79.173,54.581) D13.3@79.173,58.322
  Bottom Layer w0.3: v1(6.595,54.581) v1(16.963,54.581) v1(27.332,54.581) v1(37.7,54.581) v1(48.068,54.581) v1(58.437,54.581) v1(68.805,54.581) v1(79.173,54.581) ; U2.P$13@19.99,63.172 v1(19.99,64.588)
M3: D18.3 D19.3 D20.3 D21.3 D24.3 D25.3 D26.3 D27.3 U3.P$13 | length 111.4
  Top Layer w0.3: v1(6.613,22.059) D21.3@6.613,25.8 ; v1(16.982,22.059) 16.982,25.8 17.432,26.25 17.432,27 18.268,27.837 18.268,30.326 v1(20.008,32.066) ; v1(27.35,22.059) D25.3@27.35,25.8 ; v1(37.718,22.059) D18.3@37.718,25.8 ; v1(48.087,22.059) D19.3@48.087,25.8 ; v1(58.455,22.059) D26.3@58.455,25.8 ; v1(68.823,22.059) D27.3@68.823,25.8 ; v1(79.191,22.059) D20.3@79.191,25.8
  Bottom Layer w0.3: v1(6.613,22.059) v1(16.982,22.059) v1(27.35,22.059) v1(37.718,22.059) v1(48.087,22.059) v1(58.455,22.059) v1(68.823,22.059) v1(79.191,22.059) ; U3.P$13@20.008,30.65 v1(20.008,32.066)
M5: D2.3 D3.3 D8.3 D9.3 D16.3 D17.3 D22.3 D23.3 U1.P$13 | length 132.6
  Top Layer w0.3: v1(89.534,22.131) D23.3@89.534,25.8 ; v1(89.568,54.581) D9.3@89.568,58.322 ; D23.3@89.801,26.486 90.484,27.168 90.484,29.866 90.015,30.335 v1(90.015,32.086) ; v1(99.939,22.131) D22.3@99.939,25.8 ; v1(99.95,54.581) D16.3@99.95,58.322 ; v1(110.318,54.581) D17.3@110.318,58.322 ; v1(110.345,22.131) D3.3@110.345,25.8 ; v1(120.7,54.581) D2.3@120.7,58.322 ; v1(120.75,22.131) D8.3@120.75,25.8 D8.3@120.75,25.872
  Layer 2 w0.3: v1(120.7,54.581) 120,53.881 120,26.223 120.75,25.473 v1(120.75,22.131)
  Bottom Layer w0.3: v1(89.534,22.131) v1(99.939,22.131) v1(110.345,22.131) v1(120.75,22.131) ; v1(89.568,54.581) v1(99.95,54.581) v1(110.318,54.581) v1(120.7,54.581) ; U1.P$13@90.015,30.67 90.015,31.729 v1(90.015,32.086)
N1: D4.2 D5.2 D6.2 D7.2 D10.2 D11.2 D12.2 D13.2 U2.P$14 | length 121
  Top Layer w0.3: v1(4.695,53.666) D4.2@4.695,58.322 ; v1(15.063,53.666) D5.2@15.063,58.322 15.418,58.677 v1(15.418,64.588) ; v1(25.432,53.666) D6.2@25.432,58.322 ; v1(35.8,53.666) D7.2@35.8,58.322 ; v1(46.168,53.666) D10.2@46.168,58.322 ; v1(56.537,53.666) D11.2@56.537,58.322 ; v1(66.905,53.666) D12.2@66.905,58.322 ; v1(77.273,53.666) D13.2@77.273,58.322
  Bottom Layer w0.3: v1(4.695,53.666) v1(15.063,53.666) v1(25.432,53.666) v1(35.8,53.666) v1(46.168,53.666) v1(56.537,53.666) v1(66.905,53.666) v1(77.273,53.666) ; v1(15.418,64.588) v1(18.72,64.588) U2.P$14@18.72,63.172
N3: D18.2 D19.2 D20.2 D21.2 D24.2 D25.2 D26.2 D27.2 U3.P$14 | length 121
  Top Layer w0.3: v1(4.713,21.144) D21.2@4.713,25.8 ; v1(15.082,21.144) 15.082,25.8 15.436,26.155 v1(15.436,32.066) ; v1(25.45,21.144) D25.2@25.45,25.8 ; v1(35.818,21.144) D18.2@35.818,25.8 ; v1(46.187,21.144) D19.2@46.187,25.8 ; v1(56.555,21.144) D26.2@56.555,25.8 ; v1(66.923,21.144) D27.2@66.923,25.8 ; v1(77.291,21.144) D20.2@77.291,25.8
  Bottom Layer w0.3: v1(4.713,21.144) v1(15.082,21.144) v1(25.45,21.144) v1(35.818,21.144) v1(46.187,21.144) v1(56.555,21.144) v1(66.923,21.144) v1(77.291,21.144) ; v1(15.436,32.066) v1(18.738,32.066) U3.P$14@18.738,30.65
N5: D2.2 D3.2 D8.2 D9.2 D16.2 D17.2 D22.2 D23.2 U1.P$14 | length 140.9
  Top Layer w0.3: v1(87.634,21.216) D23.2@87.634,25.8 87.634,26.45 88.234,27.05 88.234,29.823 88.745,30.335 v1(88.745,32.086) ; v1(87.668,53.666) D9.2@87.668,58.322 ; v1(98.039,21.216) D22.2@98.039,25.8 ; v1(98.05,53.666) D16.2@98.05,58.322 ; v1(108.418,53.666) D17.2@108.418,58.322 ; v1(108.445,21.216) D3.2@108.445,25.8 ; v1(118.8,53.666) D2.2@118.8,58.322 ; v1(118.85,21.216) D8.2@118.85,25.8 D8.2@118.85,25.872
  Layer 2 w0.3: v1(118.8,53.666) 117.75,52.616 117.75,47.93 118.85,46.83 v1(118.85,21.216)
  Bottom Layer w0.3: v1(87.634,21.216) v1(98.039,21.216) v1(108.445,21.216) v1(118.85,21.216) ; v1(87.668,53.666) v1(98.05,53.666) v1(108.418,53.666) v1(118.8,53.666) ; U1.P$14@88.745,30.67 v1(88.745,32.086)
NetC5_2: C5.2 U4.43 | length 2.1
  Top Layer w0.2: U4.43@81.241,12.95 C5.2@81.241,15.075
NetD1_2: D1.2 R8.1 | length 2.3
  Top Layer w0.2: D1.2@91.034,1.9 R8.1@93.327,1.9
NetD14_2: D14.2 R14.2 R16.2 R18.2 | length 6.2
  Bottom Layer w0.3: D14.2@117.21,67.428 R14.2@121.25,67.428 123.178,67.428 R16.2@123.35,67.6
NetD15_2: D15.2 R15.2 R17.2 R19.2 | length 8.1
  Bottom Layer w0.3: R15.2@71,69.35 R17.2@73.25,69.35 R19.2@75.5,69.35 77.11,69.35 78.3,68.16 78.3,68.11 78.45,67.96 D15.2@78.5,67.96
NetD28_2: D28.2 R20.2 R21.2 R22.2 | length 8
  Bottom Layer w0.5: R20.2@71.018,36.542 R21.2@73.268,36.542 R22.2@75.391,36.542 77.137,36.542 78.368,35.31 78.368,35.26 78.418,35.21 D28.2@78.468,35.21
NetJ2_A5: J2.A5 R1.2 | length 4.1
  Top Layer w0.15: R1.2@115,16.7 116.135,16.7 v3(117,15.835)
  Bottom Layer w0.15: v3(117,15.835) 117.003,15.832 118.697,15.832 J2.A5@118.7,15.835
NetJ2_B5: J2.B5 R2.2 | length 9
  Top Layer w0.15: R2.2@115,13.133 115.995,13.133 116.128,13 v3(116.25,13)
  Layer 1 w0.15: v3(116.25,13) 117.925,13 118.959,14.035 v3(121.75,14.035)
  Bottom Layer w0.15: J2.B5@120,14.085 121.7,14.085 v3(121.75,14.035)
NetR4_2: R4.2 U4.15 | length 4.1
  Top Layer w0.2: v3(78.016,3.771) 78.361,3.427 79.649,3.427 79.741,3.519 U4.15@79.741,4.55
  Bottom Layer w0.2: R4.2@76.941,3.87 77.04,3.771 v3(78.016,3.771)
NetR5_2: R5.2 U4.16 | length 4.8
  Top Layer w0.2: v3(78.016,2.25) 78.891,3.125 79.79,3.125 80.241,3.577 U4.16@80.241,4.55
  Bottom Layer w0.2: R5.2@76.941,2.25 v3(78.016,2.25)
P1: D4.1 D5.1 D6.1 D7.1 D10.1 D11.1 D12.1 D13.1 U2.P$19 | length 134
  Top Layer w0.3: v1(2.795,52.75) D4.1@2.795,58.322 D4.1@2.795,59.008 ; v1(13.163,52.75) D5.1@13.163,58.322 ; v1(23.532,52.75) D6.1@23.532,58.322 23.532,62.82 23.053,63.299 23.053,71.169 v1(23.8,71.916) ; v1(33.9,52.75) D7.1@33.9,58.322 ; v1(44.268,52.75) D10.1@44.268,58.322 ; v1(54.637,52.75) D11.1@54.637,58.322 ; v1(65.005,52.75) D12.1@65.005,58.322 ; v1(75.373,52.75) D13.1@75.373,58.322 D13.1@75.373,59.008
  Bottom Layer w0.3: v1(2.795,52.75) v1(13.163,52.75) v1(23.532,52.75) v1(33.9,52.75) v1(44.268,52.75) v1(54.637,52.75) v1(65.005,52.75) v1(75.373,52.75) ; v1(23.8,71.916) U2.P$19@23.8,73.332
P3: D18.1 D19.1 D20.1 D21.1 D24.1 D25.1 D26.1 D27.1 U3.P$19 | length 134
  Top Layer w0.3: v1(2.813,20.228) D21.1@2.813,25.8 D21.1@2.813,26.486 ; v1(13.182,20.228) D24.1@13.182,25.8 ; v1(23.55,20.228) 23.55,25.8 23.55,30.298 23.071,30.777 23.071,38.646 v1(23.818,39.394) ; v1(33.918,20.228) D18.1@33.918,25.8 ; v1(44.287,20.228) D19.1@44.287,25.8 ; v1(54.655,20.228) D26.1@54.655,25.8 ; v1(65.023,20.228) D27.1@65.023,25.8 ; v1(75.391,20.228) 75.391,25.8 D20.1@75.391,26.486
  Bottom Layer w0.3: v1(2.813,20.228) v1(13.182,20.228) v1(23.55,20.228) v1(33.918,20.228) v1(44.287,20.228) v1(54.655,20.228) v1(65.023,20.228) v1(75.391,20.228) ; v1(23.818,39.394) U3.P$19@23.818,40.81
P5: D2.1 D3.1 D8.1 D9.1 D16.1 D17.1 D22.1 D23.1 U1.P$19 | length 158.6
  Top Layer w0.3: v1(85.734,20.3) D23.1@85.734,25.8 D23.1@85.734,25.872 ; v1(85.768,52.75) D9.1@85.768,58.322 ; v1(93.825,42.246) 93.825,38.89 95.239,37.476 95.239,30.378 96.139,29.478 D22.1@96.139,25.8 v1(96.139,20.3) ; v1(96.15,52.75) D16.1@96.15,58.322 ; v1(106.518,52.75) D17.1@106.518,58.322 ; v1(106.545,20.3) D3.1@106.545,25.8 ; v1(116.9,52.75) D2.1@116.9,58.322 ; v1(116.95,20.3) D8.1@116.95,25.8 D8.1@116.95,25.872
  Layer 2 w0.3: v1(116.9,52.75) 116.25,52.1 116.25,46.33 116.95,45.63 v1(116.95,20.3)
  Bottom Layer w0.3: v1(85.734,20.3) v1(96.139,20.3) v1(106.545,20.3) v1(116.95,20.3) ; v1(85.768,52.75) v1(96.15,52.75) v1(106.518,52.75) v1(116.9,52.75) ; U1.P$19@93.825,40.83 v1(93.825,42.246)
PA18: R25.2 S6.3 S6.4 U4.27 | length 52.9
  Top Layer w0.2: S6.3@50.28,6.466 50.28,7.603 v3(50.394,7.717) 50.394,7.825 50.28,7.939 S6.4@50.28,14.416 ; R25.2@54.418,5.071 54.468,5.071 54.793,5.396 54.793,5.446 54.938,5.591 v3(54.938,8.557) ; U4.27@85.691,7 86.724,7 86.726,6.998 87.58,6.998 v3(87.582,7)
  Bottom Layer w0.2: v3(50.394,7.717) 54.417,7.717 54.873,8.173 54.873,8.492 v3(54.938,8.557) 55.181,8.8 77.982,8.8 78.835,9.653 82.093,9.653 84.748,6.998 87.58,6.998 v3(87.582,7)
PA19: R24.2 S5.3 S5.4 U4.28 | length 59.6
  Top Layer w0.2: S5.3@41.679,6.466 41.679,8.219 v3(42.017,8.557) 41.679,8.895 S5.4@41.679,14.416 ; R24.2@52.834,5.071 52.834,8.242 52.984,8.392 v3(52.984,8.5) ; U4.28@85.691,7.5 v3(86.934,7.5)
  Bottom Layer w0.2: v3(42.017,8.557) 42.074,8.5 v3(52.984,8.5) 53.684,9.2 77.816,9.2 78.669,10.053 82.259,10.053 84.812,7.5 v3(86.934,7.5)
PA20: R23.2 S4.3 S4.4 U4.29 | length 72.6
  Top Layer w0.2: S4.4@33.078,14.416 S4.3@33.078,6.466 33.086,6.474 33.086,7.424 v3(33.119,7.457) ; v3(56,9.8) 56,5.081 R23.2@56.01,5.071 ; U4.29@85.691,8 U4.29@85.691,8 87.582,8.002 v3(87.584,8)
  Bottom Layer w0.2: v3(33.119,7.457) 38.807,7.457 41.15,9.8 v3(56,9.8) 56,9.6 77.651,9.6 78.503,10.453 82.425,10.453 84.877,8 86.724,8 86.726,8.002 87.582,8.002 v3(87.584,8)
RESET: pad.10 R3.1 S1.3 S1.4 U4.40 | length 49.5
  Top Layer w0.2: U4.40@82.741,12.95 82.741,11.65 82.981,11.41 v3(82.981,6.92)
  Bottom Layer w0.2: S1.3@42.792,6.564 S1.4@50.742,6.564 51.816,6.564 52.934,5.446 52.934,5.396 53.259,5.071 R3.1@53.309,5.071 53.359,5.071 53.684,5.396 53.684,5.446 54.938,6.7 58.442,6.7 ; pad.10@58.502,5.056 58.442,5.116 58.442,6.7 ; v3(82.981,6.92) 82.981,6.817 82.864,6.7 63.306,6.7 58.442,6.7
SWCLK: pad.4 U4.45 | length 26
  Top Layer w0.2: v3(62.206,7.35) 62.206,5.161 pad.4@62.312,5.056 ; v3(80.216,7.35) 80.243,7.377 80.243,12.948 U4.45@80.241,12.95
  Bottom Layer w0.2: v3(62.206,7.35) v3(80.216,7.35)
SWDIO: pad.2 U4.46 | length 24.2
  Top Layer w0.2: v3(63.487,8.075) 63.487,5.15 pad.2@63.582,5.056 ; v3(79.741,8.075) U4.46@79.741,12.95
  Bottom Layer w0.2: v3(63.487,8.075) v3(79.741,8.075)
USB_D+: J1.3 J2.A6 J2.B6 U4.34 | length 51
  Top Layer w0.15: U4.34@85.691,10.5 v3(87.634,10.5) ; v3(120.5,4.75) 121,5.25 v3(121,14.585)
  Layer 1 w0.15: v3(117.76,15.328) 119.557,15.328 120.3,14.585 v3(121,14.585)
  Bottom Layer w0.15: v3(87.634,10.5) 89.823,10.5 94.651,15.328 v3(117.76,15.328) 117.767,15.335 J2.A6@118.7,15.335 ; J2.B6@120,14.585 v3(121,14.585) ; v3(120.5,4.75) 121.237,4.75 121.239,4.748 121.877,4.748 J1.3@121.925,4.7
USB_D-: J1.2 J2.A7 J2.B7 U4.33 | length 53.1
  Top Layer w0.15: U4.33@85.691,10 v3(88.135,10)
  Layer 2 w0.15: v3(117.777,14.335) 118.445,14.335 119.195,15.085 121.665,15.085 v3(121.75,15) 121.765,14.985 122.177,14.985 122.65,14.512 122.65,9.086 123.17,8.566 v3(123.17,5.25)
  Bottom Layer w0.15: v3(88.135,10) 90.183,10 94.917,14.735 117.377,14.735 v3(117.777,14.335) J2.A7@118.7,14.335 ; J2.B7@120,15.085 121.665,15.085 v3(121.75,15) ; J1.2@121.925,5.35 122.468,5.35 122.568,5.25 v3(123.17,5.25)
X0: C2.2 U4.1 Y1.2 | length 7.6
  Top Layer w0.2: C2.2@72.098,14.85 Y1.2@74.475,14.85 74.712,14.85 75.312,14.25 75.312,14.013 75.975,13.35 75.975,11.906 76.381,11.5 U4.1@77.291,11.5
X1: C1.2 U4.2 Y1.1 | length 6
  Top Layer w0.2: C1.2@72.098,12.45 Y1.1@74.475,12.45 74.658,12.45 75.258,11.85 75.258,11.567 75.825,11 U4.2@77.291,11
pads on no net: J2.A2 J2.A3 J2.A8 J2.A10 J2.A11 J2.B2 J2.B3 J2.B8 J2.B10 J2.B11 U1.P$10 U2.P$10 U3.P$10 U4.3 U4.4 U4.7 U4.8 U4.9 U4.10 U4.11 U4.12 U4.13 U4.14 U4.19 U4.20 U4.21 U4.22 U4.23 U4.24 U4.30 U4.37 U4.38 U4.39 U4.41 U4.47 U4.48 U5.2 U5.4 U5.5 U5.6 U5.7 U5.9 U5.10 U5.11 U5.12 U5.13 U5.14 U5.19 U5.20 U6.3
copper on no net: | length 4.2
  Bottom Layer w0.3: 23.8,63.172 v1(23.8,64.588) ; 23.818,30.65 v1(23.818,32.066) ; 93.825,30.67 v1(93.825,32.086)

## Polygon pours and split planes (outlines as drawn)
3V3 on Layer 1 "L02_3V3_P000" (solid, pour order 0): 8.532,19.012 8.563,18.981 8.563,0 115,0 117,2 117,9.25 115.085,11.165 104.525,11.165 101.889,13.801 101.889,15 96.889,20 9.55,20 8.592,19.042
5V+ on Layer 1 "L02_5V+_P006" (solid, pour order 6): 117.25,2 121.8,2 122.55,2.75 122.55,19.7 126.5,23.65 126.5,83 126,83.5 1.5,83.5 0.75,82.75 0.75,22.144 2.594,20.3 97.415,20.3 102.715,15 102.715,13.801 104.726,11.79 115.46,11.79 117.25,10
GND on Bottom Layer "L04_GND_P008" (solid, pour order 8): 0,19 8.202,19 8.563,18.638 8.563,0 127,0 127,84 0,84
5V+ on Bottom Layer "L04_5V+_P004" (solid, pour order 4): 122.7,5.8 118.35,5.8 117.76,6.39 117.76,7.41 118.35,8 120.724,8 121.25,7.474 121.25,6.85 121.6,6.5 122.4,6.5 122.7,6.2
no net on Bottom Layer "L04_NONET_P002" (solid, pour order 2): 122.7,5.8
no net on Top Overlay "5V_1_L04_P-001" (solid): 3.696,9.005 3.402,9.378 3.143,9.769 2.92,10.179 2.731,10.607 2.577,11.054 2.458,11.522 2.389,11.888 2.372,12.01 2.368,12.043 2.359,12.139 2.349,12.305 2.342,12.494 2.339,12.696 2.34,12.898 2.344,13.087 2.352,13.252 2.359,13.347 2.363,13.379 2.379,13.503 2.445,13.874 2.563,14.351 2.717,14.809 2.907,15.248 3.133,15.669 3.395,16.07 3.692,16.451 3.938,16.725 4.024,16.812 4.118,16.905 4.414,17.168 4.829,17.484 5.267,17.76 5.728,17.994 6.208,18.186 6.706,18.334 7.219,18.438 7.614,18.487 7.746,18.496 7.77,18.498 7.844,18.5 7.975,18.501 8.128,18.499 8.292,18.495 8.456,18.488 8.609,18.481 8.74,18.472 8.814,18.465 8.838,18.462 9.031,18.436 9.602,18.31 10.328,18.062 11.016,17.719 11.512,17.399 11.667,17.279 11.696,17.257 11.781,17.187 11.908,17.075 12.043,16.949 12.182,16.814 12.317,16.676 12.443,16.542 12.555,16.416 12.624,16.333 12.646,16.304 12.726,16.201 12.949,15.878 13.21,15.438 13.428,14.984 13.604,14.516 13.736,14.036 13.826,13.543 13.873,13.038 13.882,12.651 13.877,12.521 13.873,12.385 13.834,11.974 13.741,11.442 13.6,10.925 13.41,10.427 13.174,9.948 12.891,9.491 12.562,9.056 12.287,8.745 12.189,8.647 12.078,8.535 11.719,8.223 11.213,7.857 10.676,7.552 10.111,7.307 9.522,7.126 8.912,7.008 8.286,6.956 7.806,6.959 7.646,6.971 7.556,6.978 7.286,7.01 6.929,7.072 6.577,7.157 6.23,7.264 5.89,7.393 5.558,7.544 5.236,7.715 5.001,7.856 4.925,7.906 4.866,7.946 4.69,8.07 4.468,8.243 4.25,8.433 4.081,8.594 4.026,8.649 3.94,8.734
GND on Layer 2 "L03_GND_P009" (solid, pour order 9): 0,19 8.202,19 8.563,18.638 8.563,0 127,0 127,84 0,84
GND on Top Layer "L01_GND_P007" (solid, pour order 7): 0,19 8.202,19 8.563,18.638 8.563,0 127,0 127,84 0,84

## Other copper
Bottom Layer:
  region net 5V+: 105.255,40.646

## Silkscreen, mask and mechanical layers (free items; w line width, h text height)
Top Overlay:
  drawing of 19 lines, arcs and shapes, not listed
  text "®" at 68,18.5 h2
  text "SET" at 44.419,17 h5
  text "Francubo / UTCKLOC" at 53.91,13.5 h4
  text "GND" at 101,12.225 h0.7
  text "V1.0 Pre-Alpha" at 53.91,11.45 h1
  text "SCL" at 101,9.685 h0.7
  text "SDA" at 101,7 h0.7
  text "Lorenzo Karavania" at 3.139,5.441 h1.5
  text "3V3" at 101,4.696 h0.7
  text "Conceived By:" at 4.534,4 h1.5
  text "3V3" at 29.25,3.25 h0.7 r90
  text "TX" at 31.76,3.25 h0.7 r90
  text "RX" at 34.231,3.25 h0.7 r90
  text "RST" at 36.75,3.25 h0.7 r90
  text "GND" at 39.365,3.25 h0.7 r90
  text "Francesco Baldassarri" at 2.089,2.472 h1.5
  text "™" at 13.41,1.25 h1.5
  text "Made With <3" at 3.75,0.5 h2
Bottom Overlay:
  lines w0.127: 57.867,2.706 64.217,2.706 64.217,6.136 57.867,6.136 57.867,2.706
  lines w0.2: 64.842,3.321 64.842,4.121
  text "BOOT" at 39.5,16 h0.7 r90
  text "Arduino Zero Based / WiFiEsp Powered" at 67.25,13.75 h2
  text "RESET" at 39.5,8.75 h0.7 r90
  text "RESET uC" at 49.75,8.25 h0.7
  text "5Vin 1A" at 116.5,6.5 h2
  text "WI-FI" at 5.5,5.5 h5 r90
Route Tool Path:
  lines w0.3: -0.15,0 ccw(c0,0) 0,-0.15 ; -0.15,0 ccw(c0,0) 0,-0.15 ; -0.15,0 -0.15,84 ; -0.15,84 cw(c0,84) 0,84.15 ; -0.15,84 cw(c0,84) 0,84.15 ; 0,-0.15 16.85,-0.15 16.85,-2.46 ccw(c19.54,-2.46) 19.54,-5.15 21.46,-5.15 ccw(c21.46,-2.46) 24.15,-2.46 24.15,-0.15 102.85,-0.15 102.85,-2.46 ; 0,84.15 16.85,84.15 16.85,86.46 ; 16.85,86.46 cw(c19.54,86.46) 19.539,89.15 ; 16.85,86.46 16.85,86.46 ; 19.539,89.15 cw(c19.54,89) 19.54,89.15 ; 19.539,89.15 cw(c19.54,86.46) 19.54,89.15 ; 19.54,89.15 21.46,89.15 ; 21.46,89.15 cw(c21.46,86.46) 24.15,86.461 ; 21.46,89.15 21.46,89.15 ; 24.15,86.46 ccw(c21.46,86.46) 24.15,86.461 ; 24.15,86.46 ccw(c24,86.46) 24.15,86.461 ; 24.15,86.46 ccw(c24,86.46) 24.15,86.46 ; 24.15,86.46 24.15,84.15 102.85,84.15 102.85,86.46 cw(c105.54,86.46) 105.54,89.15 107.46,89.15 cw(c107.46,86.46) 110.15,86.46 110.15,84.15 127,84.15 ; 102.85,-2.461 ccw(c105.54,-2.46) 105.539,-5.15 ; 102.85,-2.46 ccw(c105.54,-2.46) 102.85,-2.461 ; 102.85,-2.46 ccw(c103,-2.46) 102.85,-2.461 ; 105.539,-5.15 ccw(c105.54,-2.46) 105.54,-5.15 ; 105.539,-5.15 ccw(c105.54,-5) 105.54,-5.15 ; 105.54,-5.15 107.46,-5.15 ; 107.46,-5.15 ccw(c107.46,-2.46) 107.461,-5.15 ; 107.46,-5.15 ccw(c107.46,-5) 107.461,-5.15 ; 107.461,-5.15 ccw(c107.46,-2.46) 110.15,-2.461 ; 110.15,-2.461 ccw(c110,-2.46) 110.15,-2.46 ; 110.15,-2.461 ccw(c107.46,-2.46) 110.15,-2.46 ; 110.15,-2.46 110.15,-0.15 127,-0.15 ; 127,-0.15 ccw(c127,0) 127.15,0 ; 127,-0.15 ccw(c127,0) 127.15,0 ; 127,84.15 cw(c127,84) 127.15,84 ; 127,84.15 cw(c127,84) 127.15,84 ; 127.15,0 127.15,84